# Altium PCB PCB4.PcbDoc (part 1 of 2) (continued)
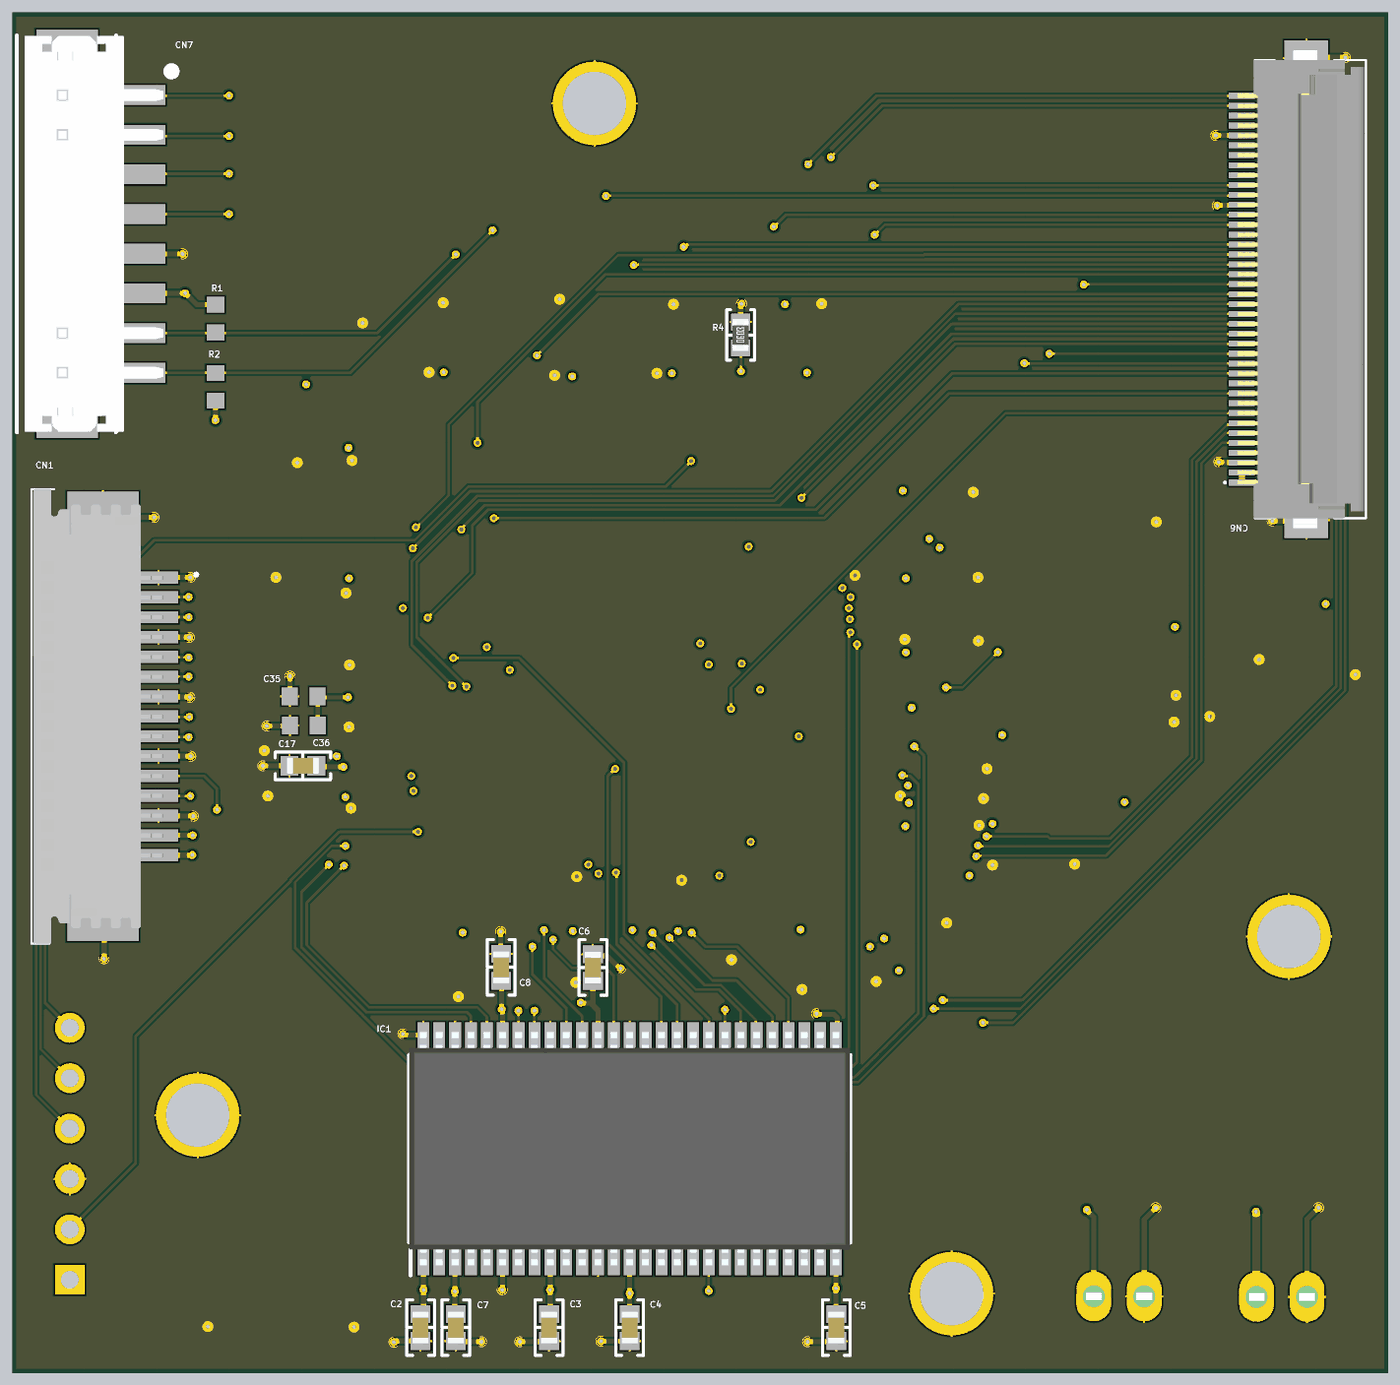
[diagram p6: 3D render of the assembled board from below, using the file's embedded part models]

## Layer stack, top to bottom
Top Solder: solder mask 0.5, Solder Resist, Dk 3.8
Top Layer: signal copper 1.378
Dielectric 1: prepreg 3.937, 2313, Dk 4.05
Mid Layer 1: signal copper 0.689
Core: core 49.8031, FR-4, Dk 4.5
Mid Layer 2: signal copper 0.689
Dielectric 2: prepreg 3.937, 2313, Dk 4.05
Bottom Layer: signal copper 1.378
Bottom Solder: solder mask 0.5, Solder Resist, Dk 3.8

## Board outline
0,0 0,2700 2730,2700 2730,0

## Design rules (kind name [scope] priority, off if disabled: settings)
BoardOutlineClearance [All] p1: gap=7.87 ignorepadtopadclearanceinfootprint=FALSE
Clearance [All] p1: gap=4 ignorepadtopadclearanceinfootprint=FALSE except(5: Arc-Via Track-Via SMDPad-Via THPad-Via Via-Via Via-Fill Via-Poly Via-Region Via-Text; 9.84: Arc-Hole Track-Hole SMDPad-Hole THPad-Hole Via-Hole Fill-Hole Poly-Hole Region-Hole Text-Hole)
ComponentClearance [All] p1: gap=4 collisioncheckmode=3 verticalgap=4 showdistances=TRUE
DiffPairsRouting [All] p1: maxlimit=4 minlimit=4 mostfreqgap=4 toplayer_minwidth=4 toplayer_maxwidth=71497.94 toplayer_prefwidth=4 midlayer1_minwidth=4 midlayer1_maxwidth=71497.94 midlayer1_prefwidth=4 midlayer2_minwidth=4 midlayer2_maxwidth=71497.94 midlayer2_prefwidth=4 bottomlayer_minwidth=4 bottomlayer_maxwidth=71497.94 bottomlayer_prefwidth=4 maxuncoupledlength=500
Height [All] p1: minheight=0 maxheight=71497.94 prefheight=500
HoleSize [All] p1: absolutevalues=TRUE maxlimit=248.03 minlimit=7.87 maxpercent=80.000 minpercent=20.000
HoleToHoleClearance [All] p1: gap=9.84 allowstackedmicrovias=FALSE
MatchedLengths MatchedLengths_5 [InNetClass('B')] p1: tolerance=1000 checknetsindiffpair=FALSE checkdiffpairvsdiffpair=TRUE checkxsignals=TRUE checkothers=TRUE
MatchedLengths MatchedLengths_4 [InNetClass('R')] p2: tolerance=1000 checknetsindiffpair=FALSE checkdiffpairvsdiffpair=TRUE checkxsignals=TRUE checkothers=TRUE
MatchedLengths MatchedLengths_3 [InNetClass('G')] p3: tolerance=1000 checknetsindiffpair=FALSE checkdiffpairvsdiffpair=TRUE checkxsignals=TRUE checkothers=TRUE
MatchedLengths MatchedLengths_2 [InNetClass('SIO')] p4: tolerance=1000 checknetsindiffpair=FALSE checkdiffpairvsdiffpair=TRUE checkxsignals=TRUE checkothers=TRUE
MatchedLengths MatchedLengths_1 [InNetClass('DQ')] p5: tolerance=1000 checknetsindiffpair=FALSE checkdiffpairvsdiffpair=TRUE checkxsignals=TRUE checkothers=TRUE
MatchedLengths [InNetClass('A')] p6: tolerance=1000 checknetsindiffpair=FALSE checkdiffpairvsdiffpair=TRUE checkxsignals=TRUE checkothers=TRUE
MaxMinImpedance [InNetClass('DQ')] p1: minimum=45.00 maximum=55.00
MinimumAnnularRing [All] p1: minimumring=3
MinimumSolderMaskSliver [All] p1: minsoldermaskwidth=0
NetsToIgnore NetsToIgnore_2 [InNet('GND')] p1:
NetsToIgnore NetsToIgnore_1 [InNet('5V')] p2:
NetsToIgnore [InNet('3V3')] p3:
PlaneClearance [All] p1: clearance=4
PlaneConnect PlaneConnectPowerPads [InPadClass('PowerPads')] p1: planeconnectstyle=Direct reliefexpansion=20 reliefentries=4 reliefconductorwidth=10 reliefairgap=10
PlaneConnect [All] p2: pad.planeconnectstyle=Relief pad.reliefexpansion=11.81 pad.reliefentries=4 pad.reliefconductorwidth=4 pad.reliefairgap=4 via.planeconnectstyle=Direct via.reliefexpansion=11.81 via.reliefentries=4 via.reliefconductorwidth=5 via.reliefairgap=5
PolygonConnect PolygonConnectPowerPads [All vs (InPadClass('PowerPads'))] p1: connectstyle=Direct reliefconductorwidth=10 reliefentries=4 polygonreliefangle="90 Angle" airgapwidth=10
PolygonConnect [All] p2: thpad.connectstyle=Relief thpad.reliefconductorwidth=4 thpad.reliefentries=4 thpad.polygonreliefangle="90 Angle" thpad.airgapwidth=4 smdpad.connectstyle=Relief smdpad.reliefconductorwidth=4 smdpad.reliefentries=4 smdpad.polygonreliefangle="90 Angle" smdpad.airgapwidth=4 via.connectstyle=Direct via.reliefconductorwidth=5 via.reliefentries=4 via.polygonreliefangle="90 Angle" via.airgapwidth=5
RoutingLayers RoutingLayers_2 [InNet('GND')] p1: top layer_v5=TRUE mid layer 1_v5=TRUE mid layer 2_v5=TRUE bottom layer_v5=TRUE
RoutingLayers RoutingLayers_1 [(InNet('3V3') OR InNet('5V'))] p2: top layer_v5=TRUE mid layer 1_v5=FALSE mid layer 2_v5=TRUE bottom layer_v5=TRUE
RoutingLayers [All] p3: top layer_v5=TRUE mid layer 1_v5=TRUE mid layer 2_v5=TRUE bottom layer_v5=TRUE
RoutingPriority RoutingPriority_1 [(InNetClass('DQ') OR InNetClass('A'))] p1: routingpriority=2
RoutingPriority RoutingPriority_2 [(InNetClass('SIO') OR InNetClass('B') OR InNetClass('G') OR InNetClass('R'))] p2: routingpriority=1
RoutingPriority [All] p3: routingpriority=0
RoutingVias [All] p1: holewidth=7.87 width=15.75 viastyle="Through Hole" minholewidth=7.87 minwidth=15.75 maxholewidth=7.87 maxwidth=15.75
SilkToSilkClearance [All] p1: silktosilkclearance=0
SilkToSolderMaskClearance [IsPad] p1: minsilkscreentomaskgap=4 clearancetoexposedcopper=TRUE
SolderMaskExpansion [All] p1: expansion=2.95 istentingtop=FALSE
Width [All] p1: maxlimit=71497.94 minlimit=4 preferedwidth=4
18 further rules are at their usual default settings.

## Classes and differential pairs
net class SIO: SIO0 SIO1 SIO2 SIO3
net class G: G0 G1 G2 G3 G4 G5 G6 G7
net class R: R0 R1 R2 R3 R4 R5 R6 R7
net class DQ: CLK DQ0 DQ1 DQ2 DQ3 DQ4 DQ5 DQ6 DQ7 DQ8 DQ9 DQ10 DQ11 DQ12 DQ13 DQ14 DQ15
net class B: B0 B1 B2 B3 B4 B5 B6 B7
net class A: A0 A1 A2 A3 A4 A5 A6 A7 A8 A9 A10 A11 A12

## Components (designator, comment, footprint, x,y, rotation, side; value= is the part's Value field where it differs from the comment)
C1 "0.1 µF" "CAP 0603_1608" 70,1459.45 r90 top
C2 "0.1 µF" "CAP 0603_1608" 1920,90 r90 bottom
C3 "0.1 µF" "CAP 0603_1608" 1665,90 r90 bottom
C4 "0.1 µF" "CAP 0603_1608" 1505,90 r90 bottom
C5 "0.1 µF" "CAP 0603_1608" 1095,90 r90 bottom
C6 "0.1 µF" "CAP 0603_1608" 1578,804.57 r270 bottom
C7 "0.1 µF" "CAP 0603_1608" 1850,90 r90 bottom
C8 "0.1 µF" "CAP 0603_1608" 1760,805 r270 bottom
C9 "100µF" "CAP ALSMD POLY 5.3MM H6.0MM" 206,481 r180 top
C10 "100µF" "CAP ALSMD POLY 5.3MM H6.0MM" 529,482 r180 top
C11 "2.2 µF" "CAP 0603_1608" 2138,1774 r180 top
C12 "2.2 µF" "CAP 0603_1608" 1780,805 r90 top
C13 "0.1 µF" "CAP 0603_1608" 893,1743 r0 top
C14 "0.1 µF" "CAP 0603_1608" 885,1580 r0 top
C15 "0.1 µF" "CAP 0603_1608" 1420,2065 r270 top
C16 "0.1 µF" "CAP 0603_1608" 1845,805 r90 top
C17 "0.1 µF" "CAP 0603_1608" 2153.43,1205 r180 bottom
C18 "0.1 µF" "CAP 0603_1608" 1358.58,821 r0 top
C19 "0.1 µF" "CAP 0603_1608" 1630,2056.57 r270 top
C20 "0.1 µF" "CAP 0603_1608" 2153.43,1140 r180 top
C21 "0.1 µF" "CAP 0603_1608" 887.43,1436 r0 top
C22 "0.1 µF" "CAP 0603_1608" 2140,1580 r180 top
C23 "0.1 µF" "CAP 0603_1608" 1611,803.43 r90 top
C24 "0.1 µF" "CAP 0603_1608" 1875,2065 r270 top
C25 "0.1 µF" "CAP 0603_1608" 1164,813.57 r90 top
C26 "0.1 µF" "CAP 0603_1608" 861,1200 r0 top
C27 "0.1 µF" "CAP 0603_1608" 2138,1839 r180 top
C28 "4.7 µF" "CAP 0603_1608" 2095,2015 r315 top
C29 "1µF" "CAP 0603_1608" 739,1052 r90 top
C30 "4.7 µF" "CAP 0603_1608" 925,845 r315 top
C31 "1µF" "CAP 0603_1608" 669,1052 r90 top
C32 "X5R" 1608[0603] 871,1142 r180 top value=100nF
C33 "X5R" 1608[0603] 871,1090 r180 top value=100nF
C34 "X5R" 1608[0603] 2152.56,1224 r0 top value=2u2
C35 "X5R" 1608[0603] 2152,1343 r0 bottom value=2u2
C36 "X5R" 1608[0603] 2151.56,1285 r0 bottom value=100nF
C37 "X5R" 1608[0603] 460,1742.56 r270 top value=4pF
C38 "X5R" 1608[0603] 460,1635 r90 top value=4pF
C39 "X5R" 1608[0603] 460,1372.44 r270 top value=6pF
C40 "X5R" 1608[0603] 460,1265 r90 top value=6pF
C41 "0.1 µF" "CAP 0603_1608" 1125,2065 r270 top
CN1 "1-84953-5" 1849535 2585.67,1303.11 r270 bottom
CN2 "Header 6" HDR1X6 2616,185 r90 top
CN3 "BM03B-SRSS-TBT_LF__SN_" BM03BSRSSTBTLFSN 2195,160 r0 top
CN4 "282834-2" "TE 282834-2" 211,151 r180 top
CN5 "282834-2" "TE 282834-2" 534,152 r180 top
CN6 "FH12-40S-0.5SH_55_" FH1240S05SH55 185,2151 r90 bottom
CN7 "B8B-PH-SM4-TB_LF__SN_" B8B-PH-SM4-TB 2535,2378.74 r90 bottom
IC1 "IS42S16160G-6TL" SOP80P1176X120-54N 1505,445 r90 bottom
IC2 "MX25L25645GZNI-08G" SON127P600X500X80-9N-D 255,1416.65 r90 top
IC3 "STM32F779IIT6" QFP50P2600X2600X160-176N 1510,1430 r0 top locked
L1 "FCM1608KF-601T03" "IND 0603_1608 RF WW" 556.55,1078 r180 top value=27nH
R1 "Res1" 1608[0603] 2327,2092.56 r90 bottom value=4k7
R2 "Res1" 1608[0603] 2327,1957 r270 bottom value=4k7
R3 "10k" "RES 0603_1608" 1076.41,780 r180 top
R4 "10k" "RES 0603_1608" 1285,2060 r90 bottom
R5 "10k" "RES 0603_1608" 1195,2060.59 r270 top
R6 "10k" "RES 0603_1608" 834.41,1265 r180 top
X1 "32.768kHz" "NDK NX5032GA" 605,1690 r270 top value="25 MHz"
X2 "25 MHz" "NDK NX5032GA" 605,1320 r270 top

## Footprints (in the part's own frame and the unit in brackets; to place one, negate y for a bottom-side part, rotate by r counter-clockwise, add the part's x,y. Pads: shape width x height; smd on the part's side, far side on the other; paste and mask are expansions set on the pad)
1608[0603] [mm] "Chip Capacitor, Body 1.6x0.8mm, IPC High Density"
  rect 0.8x0.9 smd: 1(-0.7,0) 2(0.7,0)
  body extent -0.87,-0.48 0.87,0.48, height 1.3
1849535 [mm]
  rect 0.61x2 smd: 1(-7,3.7) 2(-6,3.7) 3(-5,3.7) 4(-4,3.7) 5(-3,3.7) 6(-2,3.7) 7(-1,3.7) 8(0,3.7) 9(1,3.7) 10(2,3.7) 11(3,3.7) 12(4,3.7) 13(5,3.7) 14(6,3.7) 15(7,3.7)
  rect 2.68x3.6 smd: MP1(-9.99,0.9) MP2(9.99,0.9)
  silkscreen extent -11.46,-2.7 11.46,5.65, body extent -11.46,-2.61 11.46,3.94, height 2.66
B8B-PH-SM4-TB [mm]
  rect 1x5.5 smd: 1(4,0) 2(2,0) 3(0,0) 4(-2,0) 5(-4,0) 6(-6,0) 7(-8,0) 8(-10,0)
  rect 1.7x3.1 smd: 9(-12.45,2.2) 10(6.45,2.2)
  silkscreen extent -13,-3.27 7,4.73, body extent -12.97,-2.67 6.98,4.33, height 6.73
BM03BSRSSTBTLFSN [mm]
  rect 0.6x1.55 smd: 1(-1,0.775) 2(0,0.775) 3(1,0.775)
  rect 1.2x1.8 smd: MP1(-2.3,-1.75) MP2(2.3,-1.75)
  silkscreen extent -2.5,-2.5 2.5,0, body extent -2.78,-2.53 2.78,1.49, height 4.35
"CAP 0603_1608" [mm] "Chip Capacitor, 2-Leads, Body 1.60x0.80mm, IPC Medium Density"
  rect 0.9x1 smd: 1(-0.675,0) 2(0.675,0)
  silkscreen extent -1.4,-0.7 1.4,0.7, body extent -0.8,-0.41 0.8,0.41, height 0.82
"CAP ALSMD POLY 5.3MM H6.0MM" [mm] "Aluminum Polymer Capacitor, Body 5.30x5.30x6.0mm, IPC Medium Density"
  rect 2.8x1.6 smd: 1(-2.15,0) 2(2.15,0)
  silkscreen extent -2.6,-2.7 2.7,2.7, body extent -2.95,-2.7 2.95,2.7, height 6
FH1240S05SH55 [mm]
  rect 0.3x1.3 smd: 1(-9.75,2.675) 2(-9.25,2.675) 3(-8.75,2.675) 4(-8.25,2.675) 5(-7.75,2.675) 6(-7.25,2.675) 7(-6.75,2.675) 8(-6.25,2.675) 9(-5.75,2.675) 10(-5.25,2.675) 11(-4.75,2.675) 12(-4.25,2.675) 13(-3.75,2.675) 14(-3.25,2.675) 15(-2.75,2.675) 16(-2.25,2.675) 17(-1.75,2.675) 18(-1.25,2.675) 19(-0.75,2.675) 20(-0.25,2.675) 21(0.25,2.675) 22(0.75,2.675) 23(1.25,2.675) 24(1.75,2.675) 25(2.25,2.675) 26(2.75,2.675) 27(3.25,2.675) 28(3.75,2.675) 29(4.25,2.675) 30(4.75,2.675) 31(5.25,2.675) 32(5.75,2.675) 33(6.25,2.675) 34(6.75,2.675) 35(7.25,2.675) 36(7.75,2.675) 37(8.25,2.675) 38(8.75,2.675) 39(9.25,2.675) 40(9.75,2.675)
  rect 1.8x2.2 smd: 41(-11.65,-0.575) 42(11.65,-0.575)
  silkscreen extent -11.55,-3.58 11.55,3.57, body extent -12.05,-3.52 12.05,2.88, height 2
HDR1X6 [mm] "Connector; Header; 6 Position"
  rect 1.5x1.5 hole 0.9: 1(0,0)
  round 1.5 hole 0.9: 2(2.54,0) 3(5.08,0) 4(7.62,0) 5(10.16,0) 6(12.7,0)
  silkscreen extent -1.27,-1.27 13.97,1.27
"IND 0603_1608 RF WW" [mm] "Chip Inductor, 2-Leads, Body 1.65x0.99mm, IPC Medium Density"
  rect 0.76x1.13 smd: 1(-0.875,0) 2(0.875,0)
  silkscreen extent -1.5,-0.8 1.5,0.8, body extent -0.84,-0.58 0.83,0.58, height 1
"NDK NX5032GA" [mm] "Crystal, 2-Leads, Body 5.00x3.20mm, IPC Medium Density"
  rect 2.4x2 smd: 1(-2,0) 2(2,0)
  silkscreen extent -2.65,-1.7 2.65,1.7, body extent -2.5,-1.6 2.5,1.6, height 1.2
QFP50P2600X2600X160-176N [mm]
  rect 1.45x0.3 smd: 1(-12.725,10.75) 2(-12.725,10.25) 3(-12.725,9.75) 4(-12.725,9.25) 5(-12.725,8.75) 6(-12.725,8.25) 7(-12.725,7.75) 8(-12.725,7.25) 9(-12.725,6.75) 10(-12.725,6.25) 11(-12.725,5.75) 12(-12.725,5.25) 13(-12.725,4.75) 14(-12.725,4.25) 15(-12.725,3.75) 16(-12.725,3.25) 17(-12.725,2.75) 18(-12.725,2.25) 19(-12.725,1.75) 20(-12.725,1.25) 21(-12.725,0.75) 22(-12.725,0.25) 23(-12.725,-0.25) 24(-12.725,-0.75) 25(-12.725,-1.25) 26(-12.725,-1.75) 27(-12.725,-2.25) 28(-12.725,-2.75) 29(-12.725,-3.25) 30(-12.725,-3.75) 31(-12.725,-4.25) 32(-12.725,-4.75) 33(-12.725,-5.25) 34(-12.725,-5.75) 35(-12.725,-6.25) 36(-12.725,-6.75) 37(-12.725,-7.25) 38(-12.725,-7.75) 39(-12.725,-8.25) 40(-12.725,-8.75) 41(-12.725,-9.25) 42(-12.725,-9.75) 43(-12.725,-10.25) 44(-12.725,-10.75) 89(12.725,-10.75) 90(12.725,-10.25) 91(12.725,-9.75) 92(12.725,-9.25) 93(12.725,-8.75) 94(12.725,-8.25) 95(12.725,-7.75) 96(12.725,-7.25) 97(12.725,-6.75) 98(12.725,-6.25) 99(12.725,-5.75) 100(12.725,-5.25) 101(12.725,-4.75) 102(12.725,-4.25) 103(12.725,-3.75) 104(12.725,-3.25) 105(12.725,-2.75) 106(12.725,-2.25) 107(12.725,-1.75) 108(12.725,-1.25) 109(12.725,-0.75) 110(12.725,-0.25) 111(12.725,0.25) 112(12.725,0.75) 113(12.725,1.25) 114(12.725,1.75) 115(12.725,2.25) 116(12.725,2.75) 117(12.725,3.25) 118(12.725,3.75) 119(12.725,4.25) 120(12.725,4.75) 121(12.725,5.25) 122(12.725,5.75) 123(12.725,6.25) 124(12.725,6.75) 125(12.725,7.25) 126(12.725,7.75) 127(12.725,8.25) 128(12.725,8.75) 129(12.725,9.25) 130(12.725,9.75) 131(12.725,10.25) 132(12.725,10.75)
  rect 0.3x1.45 smd: 45(-10.75,-12.725) 46(-10.25,-12.725) 47(-9.75,-12.725) 48(-9.25,-12.725) 49(-8.75,-12.725) 50(-8.25,-12.725) 51(-7.75,-12.725) 52(-7.25,-12.725) 53(-6.75,-12.725) 54(-6.25,-12.725) 55(-5.75,-12.725) 56(-5.25,-12.725) 57(-4.75,-12.725) 58(-4.25,-12.725) 59(-3.75,-12.725) 60(-3.25,-12.725) 61(-2.75,-12.725) 62(-2.25,-12.725) 63(-1.75,-12.725) 64(-1.25,-12.725) 65(-0.75,-12.725) 66(-0.25,-12.725) 67(0.25,-12.725) 68(0.75,-12.725) 69(1.25,-12.725) 70(1.75,-12.725) 71(2.25,-12.725) 72(2.75,-12.725) 73(3.25,-12.725) 74(3.75,-12.725) 75(4.25,-12.725) 76(4.75,-12.725) 77(5.25,-12.725) 78(5.75,-12.725) 79(6.25,-12.725) 80(6.75,-12.725) 81(7.25,-12.725) 82(7.75,-12.725) 83(8.25,-12.725) 84(8.75,-12.725) 85(9.25,-12.725) 86(9.75,-12.725) 87(10.25,-12.725) 88(10.75,-12.725) 133(10.75,12.725) 134(10.25,12.725) 135(9.75,12.725) 136(9.25,12.725) 137(8.75,12.725) 138(8.25,12.725) 139(7.75,12.725) 140(7.25,12.725) 141(6.75,12.725) 142(6.25,12.725) 143(5.75,12.725) 144(5.25,12.725) 145(4.75,12.725) 146(4.25,12.725) 147(3.75,12.725) 148(3.25,12.725) 149(2.75,12.725) 150(2.25,12.725) 151(1.75,12.725) 152(1.25,12.725) 153(0.75,12.725) 154(0.25,12.725) 155(-0.25,12.725) 156(-0.75,12.725) 157(-1.25,12.725) 158(-1.75,12.725) 159(-2.25,12.725) 160(-2.75,12.725) 161(-3.25,12.725) 162(-3.75,12.725) 163(-4.25,12.725) 164(-4.75,12.725) 165(-5.25,12.725) 166(-5.75,12.725) 167(-6.25,12.725) 168(-6.75,12.725) 169(-7.25,12.725) 170(-7.75,12.725) 171(-8.25,12.725) 172(-8.75,12.725) 173(-9.25,12.725) 174(-9.75,12.725) 175(-10.25,12.725) 176(-10.75,12.725)
  silkscreen extent -13.32,-11.65 11.65,11.65, body extent -13,-13 13,13, height 1.6
"RES 0603_1608" [mm] "Chip Resistor, 2-Leads, Body 1.60x0.80mm, IPC Medium Density"
  rect 0.85x0.95 smd: 1(-0.65,0) 2(0.65,0)
  silkscreen extent -1.27,-0.7 1.27,0.7, body extent -0.8,-0.4 0.8,0.4, height 0.45
SON127P600X500X80-9N-D [mm]
  rect 1.05x0.45 smd: 1(-2.85,1.905) 2(-2.85,0.635) 3(-2.85,-0.635) 4(-2.85,-1.905) 5(2.85,-1.905) 6(2.85,-0.635) 7(2.85,0.635) 8(2.85,1.905)
  rect 3.45x4.05 smd: 9(0,0)
  silkscreen extent -3.5,2.5 -3.25,2.75, body extent -3.05,-2.5 3.05,2.5, height 0.8
SOP80P1176X120-54N [mm]
  rect 1.295x0.6 smd: 1(-5.728,10.4) 2(-5.728,9.6) 3(-5.728,8.8) 4(-5.728,8) 5(-5.728,7.2) 6(-5.728,6.4) 7(-5.728,5.6) 8(-5.728,4.8) 9(-5.728,4) 10(-5.728,3.2) 11(-5.728,2.4) 12(-5.728,1.6) 13(-5.728,0.8) 14(-5.728,0) 15(-5.728,-0.8) 16(-5.728,-1.6) 17(-5.728,-2.4) 18(-5.728,-3.2) 19(-5.728,-4) 20(-5.728,-4.8) 21(-5.728,-5.6) 22(-5.728,-6.4) 23(-5.728,-7.2) 24(-5.728,-8) 25(-5.728,-8.8) 26(-5.728,-9.6) 27(-5.728,-10.4) 28(5.728,-10.4) 29(5.728,-9.6) 30(5.728,-8.8) 31(5.728,-8) 32(5.728,-7.2) 33(5.728,-6.4) 34(5.728,-5.6) 35(5.728,-4.8) 36(5.728,-4) 37(5.728,-3.2) 38(5.728,-2.4) 39(5.728,-1.6) 40(5.728,-0.8) 41(5.728,0) 42(5.728,0.8) 43(5.728,1.6) 44(5.728,2.4) 45(5.728,3.2) 46(5.728,4) 47(5.728,4.8) 48(5.728,5.6) 49(5.728,6.4) 50(5.728,7.2) 51(5.728,8) 52(5.728,8.8) 53(5.728,9.6) 54(5.728,10.4)
  silkscreen extent -6.37,-11.11 4.73,11.11, body extent -5.88,-11.11 5.88,11.11, height 1.2
"TE 282834-2" [mm]
  oval 1.75x2.5 hole 1.1: 1(-1.27,0) 2(1.27,0)
  silkscreen extent -2.7,-3.2 2.7,3.2, body extent -2.77,-3.25 2.77,3.25, height 10

## Part data
C1 C2 C3 C4 C5 C6 C7 C8 C13 C14 C15 C16 C17 C18 C19 C20 C21 C22 C23 C24 C25 C26 C27 C41: library part 0603B104K101CT, "CAP CER 0.1UF 100V X7R 0603", Device Package="0603 (1608 Metric)", manufacturer="Walsin Technology Corporation", Operating Temperature="-55°C ~ 125°C", Supplier Part Number 1=1292-1392-1-ND, Temperature Coefficient=X7R, Tolerance=±10%, Voltage - Rated=100V, Applications="General Purpose", Capacitance="0.1 µF", componentlink1description=Datasheet, componentlink1url=http://www.passivecomponent.com/wp-content/uploads/2018/10/MLCC.pdf, componentlink2description="DigiKey Link", componentlink2url=https://www.digikey.com/en/products/detail/walsin-technology-corporation/0603B104K101CT/9354889, lastupdated="4/8/2023 7:09:18 PM", Lifecycle Status=Active, Minimum Order=1, Mounting Type="Surface Mount, MLCC", Package / Case="0603 (1608 Metric)", packaging=TapeAndReel, Part Number=0603B104K101CT, Part Status=Active, partid=4273, price=0.01, series=-, Size / Dimension="0.063\" L x 0.031\" W (1.60mm x 0.80mm)", Supplier 1=DigiKey, Thickness (Max)="0.037\" (0.95mm)"
C9 C10: library part 6SVPC100M, "CAP ALUM POLY 100UF 20% 6.3V SMD", Device Package="Radial, Can - SMD", ESR (Equivalent Series Resistance)=30mOhm, Lifetime @ Temp.="2000 Hrs @ 105°C", manufacturer="Panasonic Electronic Components", Operating Temperature="-55°C ~ 105°C", Ripple Current @ High Frequency="2.15A @ 100kHz", Ripple Current @ Low Frequency="107.5mA @ 120Hz", Supplier Part Number 1=P16606CT-ND, Tolerance=±20%, Voltage - Rated=6.3V, Applications="General Purpose", Capacitance=100µF, componentlink1description=Datasheet, componentlink1url=https://industrial.panasonic.com/cdbs/www-data/pdf/AAB8000/AAB8000C256.pdf, componentlink2description="DigiKey Link", componentlink2url=http://digikey.com/product-detail/en/panasonic-electronic-components/6SVPC100M/P16606CT-ND/4204442, Height - Seated (Max)="0.236\" (6.00mm)", lastupdated="9/2/2020 1:22:07 AM", Lifecycle Status=Active, Minimum Order=1, Mounting Type="Surface Mount", Package / Case="Radial, Can - SMD", packaging=TapeAndReel, Part Number=6SVPC100M, Part Status=Active, partid=1943, price=0.51, series="OS-CON™, SVPC", Size / Dimension="0.197\" Dia (5.00mm)", Supplier 1=DigiKey, Surface Mount Land Size="0.209\" L x 0.209\" W (5.30mm x 5.30mm)", Type=Polymer
C11 C12: library part CGA3E1X7R0J225M080AC, "CAP CER 2.2UF 6.3V X7R 0603", Device Package="0603 (1608 Metric)", manufacturer="TDK Corporation", Operating Temperature="-55°C ~ 125°C", Ratings=AEC-Q200, Supplier Part Number 1=445-12572-1-ND, Temperature Coefficient=X7R, Tolerance=±20%, Voltage - Rated=6.3V, Applications=Automotive, Capacitance="2.2 µF", componentlink1description=Datasheet, componentlink1url=https://product.tdk.com/info/en/catalog/datasheets/mlcc_automotive_general_en.pdf?ref_disty=digikey, componentlink2description="DigiKey Link", componentlink2url=https://www.digikey.com/en/products/detail/tdk-corporation/CGA3E1X7R0J225M080AC/3949808, lastupdated="4/18/2023 7:09:18 PM", Lifecycle Status=Active, Minimum Order=1, Mounting Type="Surface Mount, MLCC", Package / Case="0603 (1608 Metric)", packaging=TapeAndReel, Part Number=CGA3E1X7R0J225M080AC, Part Status=Active, partid=13580, price=0.03, series=CGA, Size / Dimension="0.063\" L x 0.031\" W (1.60mm x 0.80mm)", Supplier 1=DigiKey, Thickness (Max)="0.035\" (0.90mm)"
C28 C30: library part GRM185R61C475KE11D, "CAP CER 4.7UF 16V X5R 0603", Device Package="0603 (1608 Metric)", manufacturer="Murata Electronics", Operating Temperature="-55°C ~ 85°C", Supplier Part Number 1=490-14459-1-ND, Temperature Coefficient=X5R, Tolerance=±10%, Voltage - Rated=16V, Applications="General Purpose", Capacitance="4.7 µF", componentlink1description=Datasheet, componentlink1url=https://search.murata.co.jp/Ceramy/image/img/A01X/G101/ENG/GRM185R61C475KE11-01.pdf, componentlink2description="DigiKey Link", componentlink2url=https://www.digikey.com/en/products/detail/murata-electronics/GRM185R61C475KE11D/6606088, lastupdated="3/28/2023 7:09:04 PM", Lifecycle Status=Active, Minimum Order=1, Mounting Type="Surface Mount, MLCC", Package / Case="0603 (1608 Metric)", packaging=TapeAndReel, Part Number=GRM185R61C475KE11D, Part Status=Active, partid=2451, price=0.05, series=GRM, Size / Dimension="0.063\" L x 0.031\" W (1.60mm x 0.80mm)", Supplier 1=DigiKey, Thickness (Max)="0.022\" (0.55mm)"
C29 C31: library part 0603YD105KAT4A, "CAP CER 1UF 16V X5R 0603", Device Package="0603 (1608 Metric)", manufacturer="AVX Corporation", Operating Temperature="-55°C ~ 85°C", Supplier Part Number 1=478-10365-1-ND, Temperature Coefficient=X5R, Tolerance=±10%, Voltage - Rated=16V, Applications="General Purpose", Capacitance=1µF, componentlink1description=Datasheet, componentlink1url=http://datasheets.avx.com/cx5r.pdf, componentlink2description="DigiKey Link", componentlink2url=http://digikey.com/product-detail/en/avx-corporation/0603YD105KAT4A/478-10365-1-ND/6797443, lastupdated="9/2/2020 1:03:10 AM", Lifecycle Status=Active, Minimum Order=1, Mounting Type="Surface Mount, MLCC", Package / Case="0603 (1608 Metric)", packaging=TapeAndReel, Part Number=0603YD105KAT4A, Part Status=Active, partid=15257, price=0.03, series=-, Size / Dimension="0.063\" L x 0.032\" W (1.60mm x 0.81mm)", Supplier 1=DigiKey, Thickness (Max)="0.035\" (0.90mm)"
C32 C33 C34 C35 C36 C37 C38 C39 C40: library part Cap, "Capacitor", LatestRevisionDate=17-Jul-2002, LatestRevisionNote="Re-released for DXP Platform.", PackageDescription="Radial Cap, Thru-Hole; 2 Leads; 0.3 in Pin Spacing", PackageReference=RAD-0.3, Published=8-Jun-2000, Publisher="Altium Limited"
CN1: "Connector", Manufacturer_Name="TE Connectivity", Mouser Part Number=571-1-84953-5, Arrow Part Number=1-84953-5, Arrow Price/Stock=https://www.arrow.com/en/products/1-84953-5/te-connectivity?region=nac, Datasheet Link=https://www.te.com/commerce/DocumentDelivery/DDEController?Action=showdoc&DocId=Customer+Drawing%7F84953%7FA3%7Fpdf%7FEnglish%7FENG_CD_84953_A3.pdf%7F1-84953-5, Height=2.74mm, Manufacturer_Part_Number=1-84953-5, Mouser Price/Stock=https://www.mouser.co.uk/ProductDetail/TE-Connectivity/1-84953-5?qs=uUkeXfjQ8uS9OOvsO8VIHg%3D%3D
CN2: "Header, 6-Pin", LatestRevisionDate=17-Jul-2002, LatestRevisionNote="Re-released for DXP Platform.", Publisher="Altium Limited"
CN3: "Connector", Arrow Part Number=BM03B-SRSS-TBT(LF)(SN), Manufacturer_Name="JST (JAPAN SOLDERLESS TERMINALS)", Arrow Price/Stock=https://www.arrow.com/en/products/bm03b-srss-tbt-lf-sn/jst-manufacturing, Datasheet Link=http://www.jst-mfg.com/product/pdf/eng/eSR.pdf, Height=4.25mm, Manufacturer_Part_Number=BM03B-SRSS-TBT(LF)(SN)
CN4 CN5: "TERM BLK 2P SIDE ENT 2.54MM PCB", Color=Green, Current=10A, manufacturer="TE Connectivity AMP Connectors", Supplier Part Number 1=A98333-ND, Voltage=150V, componentlink1description=Datasheet, componentlink1url=https://www.te.com/commerce/DocumentDelivery/DDEController?Action=srchrtrv&DocNm=282834&DocType=Customer+Drawing&DocLang=English, componentlink2description="DigiKey Link", componentlink2url=http://digikey.com/product-detail/en/te-connectivity-amp-connectors/282834-2/A98333-ND/1150135, lastupdated="1/15/2020 4:15:38 AM", Lifecycle Status=Active, Mating Orientation="Horizontal with Board", Minimum Order=1, Mounting Type="Through Hole", Number of Levels=1, packaging=Bulk, Part Number=282834-2, Part Status=Active, Pitch="0.100\" (2.54mm)", Positions Per Level=2, price=0.88, series=Buchanan, Supplier 1=DigiKey, Wire Gauge="16-30 AWG", Wire Termination="Screw - Rising Cage Clamp"
CN6: "Connector", Arrow Part Number=FH12-40S-0.5SH(55), Manufacturer_Name=Hirose, Mouser Part Number=798-FH12-40S-0.5SH55, Arrow Price/Stock=https://www.arrow.com/en/products/fh12-40s-0.5sh-55/hirose-electric, Datasheet Link=https://datasheet.datasheetarchive.com/originals/distributors/SFDatasheet-1/sf-00023459.pdf, Height=2mm, Manufacturer_Part_Number=FH12-40S-0.5SH(55), Mouser Price/Stock=https://www.mouser.co.uk/ProductDetail/Hirose-Connector/FH12-40S-0.5SH55?qs=Ux3WWAnHpjCB5TtHwQqTgA%3D%3D
CN7: "Connector", Arrow Part Number=B8B-PH-SM4-TB(LF)(SN), Manufacturer_Name="JST (JAPAN SOLDERLESS TERMINALS)", Arrow Price/Stock=https://www.arrow.com/en/products/b8b-ph-sm4-tb-lf-sn/jst-manufacturing?region=europe, Datasheet Link=http://uk.rs-online.com/web/p/products/6881347, Manufacturer_Part_Number=B8B-PH-SM4-TB(LF)(SN)
IC1: "Integrated Circuit", Manufacturer_Name="Integrated Silicon Solution Inc.", Mouser Part Number=870-IS42S16160G-6TL, Arrow Part Number=IS42S16160G-6TL, Arrow Price/Stock=https://www.arrow.com/en/products/is42s16160g-6tl/integrated-silicon-solution-inc, Datasheet Link=http://www.issi.com/WW/pdf/42-45S83200G-16160G.pdf, Height=1.2mm, Manufacturer_Part_Number=IS42S16160G-6TL, Mouser Price/Stock=https://www.mouser.co.uk/ProductDetail/ISSI/IS42S16160G-6TL?qs=9hm%252BDT1Jr7z36E7PiUiieg%3D%3D
IC2: "Integrated Circuit", Manufacturer_Name=Macronix, Arrow Part Number=MX25L25645GZNI-08G, Arrow Price/Stock=https://www.arrow.com/en/products/mx25l25645gzni-08g/macronix-international?region=nac, Datasheet Link=https://www.macronix.com/Lists/Datasheet/Attachments/7858/MX25L25645G,%203V,%20256Mb,%20v1.9.pdf, Height=0.8mm, Manufacturer_Part_Number=MX25L25645GZNI-08G
IC3: "Integrated Circuit", Manufacturer_Name=STMicroelectronics, Mouser Part Number=511-STM32F779IIT6, Arrow Part Number=STM32F779IIT6, Arrow Price/Stock=https://www.arrow.com/en/products/stm32f779iit6/stmicroelectronics?region=nac, Datasheet Link=https://www.arrow.com/en/products/stm32f779iit6/stmicroelectronics, Height=1.6mm, Manufacturer_Part_Number=STM32F779IIT6, Mouser Price/Stock=https://www.mouser.co.uk/ProductDetail/STMicroelectronics/STM32F779IIT6?qs=qzCNEk%252BRr%252BabClKc4EG9PA%3D%3D
L1: library part 744917127, "FIXED IND 27NH 780MA 200 MOHM", Current Rating (Amps)=780mA, DC Resistance (DCR)="200mOhm Max", Device Package="0603 (1608 Metric)", Frequency - Self Resonant=2.8GHz, Inductance=27nH, Inductance Frequency - Test=250MHz, manufacturer="Würth Elektronik", Operating Temperature="-40°C ~ 125°C", Q @ Freq="35 @ 250MHz", Supplier Part Number 1=732-11279-1-ND, Tolerance=±2%, componentlink1description=Datasheet, componentlink1url=https://katalog.we-online.de/pbs/datasheet/744917127.pdf, componentlink2description="DigiKey Link", componentlink2url=http://digikey.com/product-detail/en/w-rth-elektronik/744917127/732-11279-1-ND/6833738, Height - Seated (Max)="0.043\" (1.10mm)", lastupdated="9/6/2020 11:05:16 AM", Lifecycle Status=Active, Material - Core=Ceramic, Minimum Order=0, Mounting Type="Surface Mount", Package / Case="0603 (1608 Metric)", packaging=TapeAndReel, Part Number=744917127, Part Status=Active, partid=832, price=0.46, series="WE-KI HC", Shielding=Unshielded, Size / Dimension="0.067\" L x 0.043\" W (1.70mm x 1.10mm)", Supplier 1=DigiKey, Supplier Device Package="0603 (1608 Metric)", Type=Wirewound
R1 R2: "Resistor", LatestRevisionDate=17-Jul-2002, LatestRevisionNote="Re-released for DXP Platform.", PackageDescription="Axial Device, Thru-Hole; 2 Leads; 0.3 in Pin Spacing", PackageReference=AXIAL-0.3, Published=8-Jun-2000, Publisher="Altium Limited"
R3 R4 R5 R6: library part RC0603FR-7W10KL, "RES 10K OHM 1% 1/5W 0603", Device Package="0603 (1608 Metric)", manufacturer=Yageo, Operating Temperature="-55°C ~ 155°C", Power (Watts)="0.2W, 1/5W", Resistance="10 kOhms", Supplier Device Package=0603, Supplier Part Number 1=13-RC0603FR-7W10KLCT-ND, Temperature Coefficient=±200ppm/°C, Tolerance=±1%, componentlink1description=Datasheet, componentlink1url=https://www.yageo.com/upload/media/product/productsearch/datasheet/rchip/PYu-RC_Group_51_RoHS_L_11.pdf, componentlink2description="DigiKey Link", componentlink2url=https://www.digikey.com/en/products/detail/yageo/RC0603FR-7W10KL/12698809, Composition="Thick Film", Features="Moisture Resistant", Height - Seated (Max)="0.022\" (0.55mm)", lastupdated="4/8/2023 7:28:57 PM", Lifecycle Status=Active, Minimum Order=1, Number of Terminations=2, Package / Case="0603 (1608 Metric)", packaging=CutTape, Part Number=RC0603FR-7W10KL, Part Status=Active, partid=67088, price=0.01, series=RC_L, Size / Dimension="0.063\" L x 0.031\" W (1.60mm x 0.80mm)", Supplier 1=DigiKey
X1: library part NX5032GA-25.000000MHZ-LN-CD-1, "CRYSTAL 25.0000MHZ 8PF SMD", ESR (Equivalent Series Resistance)="70 Ohms", Frequency="25 MHz", Frequency Stability=±50ppm, Load Capacitance=8pF, manufacturer="NDK America, Inc.", Operating Mode=Fundamental, Operating Temperature="-10°C ~ 70°C", Package / Case="2-SMD, No Lead", Supplier Part Number 1=644-1041-1-ND, componentlink1description=Datasheet, componentlink1url=//media.digikey.com/pdf/Data%20Sheets/NDK%20PDFs/NX5032GA.pdf, componentlink2description="DigiKey Link", componentlink2url=https://www.digikey.com/en/products/detail/ndk-america-inc/NX5032GA-25-000000MHZ-LN-CD-1/1128823, Frequency Tolerance=±50ppm, Height - Seated (Max)="0.059\" (1.50mm)", lastupdated="3/28/2023 8:00:45 PM", Lifecycle Status=Active, Minimum Order=1, Mounting Type="Surface Mount", packaging=TapeAndReel, Part Number=NX5032GA-25.000000MHZ-LN-CD-1, Part Status=Active, partid=621, price=0.28, series=NX5032GA, Size / Dimension="0.197\" L x 0.126\" W (5.00mm x 3.20mm)", Supplier 1=DigiKey, Type="MHz Crystal"
X2: library part NX5032GA-25.000000MHZ-LN-CD-1, "CRYSTAL 25.0000MHZ 8PF SMD", ESR (Equivalent Series Resistance)="70 Ohms", Frequency Stability=±50ppm, Load Capacitance=8pF, manufacturer="NDK America, Inc.", Operating Mode=Fundamental, Operating Temperature="-10°C ~ 70°C", Package / Case="2-SMD, No Lead", Supplier Part Number 1=644-1041-1-ND, componentlink1description=Datasheet, componentlink1url=//media.digikey.com/pdf/Data%20Sheets/NDK%20PDFs/NX5032GA.pdf, componentlink2description="DigiKey Link", componentlink2url=https://www.digikey.com/en/products/detail/ndk-america-inc/NX5032GA-25-000000MHZ-LN-CD-1/1128823, Frequency="25 MHz", Frequency Tolerance=±50ppm, Height - Seated (Max)="0.059\" (1.50mm)", lastupdated="3/28/2023 8:00:45 PM", Lifecycle Status=Active, Minimum Order=1, Mounting Type="Surface Mount", packaging=TapeAndReel, Part Number=NX5032GA-25.000000MHZ-LN-CD-1, Part Status=Active, partid=621, price=0.28, series=NX5032GA, Size / Dimension="0.197\" L x 0.126\" W (5.00mm x 3.20mm)", Supplier 1=DigiKey, Type="MHz Crystal"

## Free pads (board coordinates)
  round 165.35 hole 125.98: 2(196.85,866.14) 2(866.14,157.48) 2(1574.8,2519.68) 2(2362.2,511.81)

## Via types
v1: diameter 15.75, hole 7.87, Top Layer to Bottom Layer, 240 vias

## Nets (pads, with @x,y where several pads share a name; then routed paths per layer and width w, separated by ;. In a path a pad name is that pad's centre, name@x,y a point inside that pad or via, vN(x,y) a via of type N, cw(c..) or ccw(c..) an arc to the next point about the centre after c; other vN are vias at no path point)
3V3: C1.2 C2.2 C3.2 C4.2 C5.2 C6.2 C7.2 C8.2 C10.1 C13.2 C14.2 C15.2 C16.2 C17.2 C18.2 C19.2 C20.2 C21.2 C22.2 C23.2 C24.2 C25.2 C26.2 C27.2 C28.2 C30.2 C41.2 CN1.14 CN1.15 CN2.1 CN5.1 CN6.4 CN7.6 IC1.1 IC1.3 IC1.9 IC1.14 IC1.27 IC1.43 IC1.49 IC2.8 IC3.6 IC3.15 IC3.23 IC3.36 IC3.49 IC3.62 IC3.72 IC3.82 IC3.96 IC3.99 IC3.118 IC3.131 IC3.136 IC3.149 IC3.159 IC3.172 L1.2 R1.2 R2.2 R5.1 R6.2 | length 3641.3
  Top Layer w10: C1.2@70,1486.02 71.97,1486.02 110.84,1524.9 122.9,1524.9 v1(124,1526) 177.14,1526 IC2.8@180,1528.86 ; L1.2@522.1,1078 522.55,1078.45 522.55,1132.55 v1(523,1133) ; v1(598,324) 598,325.06 613.65,340.7 C10.1@613.65,482 ; v1(766,1266) 807.82,1266 R6.2@808.82,1265 ; C26.2@887.57,1200 920,1200 953,1167 v1(953,1166) 953.87,1165.13 1008.14,1165.13 IC3.36@1009.02,1164.25 ; C14.2@911.57,1580 914.57,1577 v1(957,1577) 957.32,1577.32 1008.7,1577.32 IC3.15@1009.02,1577.64 ; C21.2@914,1436 949.44,1436 955.44,1430 v1(957,1430) 966.84,1420.16 IC3.23@1009.02,1420.16 ; C13.2@919.57,1743 953.44,1743 961.44,1751 v1(963,1751) 964.56,1751 968.36,1754.8 IC3.6@1009.02,1754.8 ; C30.2@943.79,826.21 v1(971,799) ; C41.2@1125,2038.43 1131,2032.43 1131,2006 1152,1985 v1(1153,1985) 1165.51,1972.49 IC3.172@1165.51,1930.98 ; C25.2@1164,840.15 1166,842.15 v1(1166,880) 1165.76,880.24 1165.76,928.77 IC3.49@1165.51,929.02 ; R5.1@1195,2086.18 1197,2088.18 v1(1197,2121) ; C18.2@1385.15,821 1385.15,850.59 1407.9,873.34 1407.9,875.9 v1(1409,877) 1421.42,889.42 IC3.62@1421.42,929.02 ; C15.2@1420,2038.43 1421.42,2037.01 v1(1421.42,1984) IC3.159@1421.42,1930.98 ; C23.2@1611,830 1618,837 v1(1618,877) 1618.13,877.13 1618.13,928.88 IC3.72@1618.27,929.02 ; IC3.149@1618.27,1930.98 1618.63,1931.35 1618.63,1977.63 v1(1619,1978) 1619,1979.56 1630,1990.56 C19.2@1630,2030 ; IC3.82@1815.12,929.02 1816.02,928.11 1816.02,894.26 v1(1836.28,874) 1836.28,873.01 1845,864.29 C16.2@1845,831.57 ; IC3.136@1874.17,1930.98 1874.09,1931.07 1874.09,1985.91 v1(1874,1986) 1874,2037.43 C24.2@1875,2038.43 ; IC3.96@2010.98,1144.57 2011.77,1143.78 2068.22,1143.78 v1(2069,1143) 2123.85,1143 C20.2@2126.85,1140 ; IC3.99@2010.98,1203.62 2011.3,1203.31 2072.69,1203.31 v1(2073,1203) ; IC3.118@2010.98,1577.64 2011.3,1577.32 2061.68,1577.32 v1(2062,1577) 2110.43,1577 C22.2@2113.43,1580 ; IC3.131@2010.98,1833.54 2058.99,1833.54 2061.44,1836 v1(2063,1836) 2064.56,1836 2067.56,1839 C27.2@2111.43,1839 ; C28.2@2113.79,1996.21 2113.79,1995.21 v1(2147,1962)
  Bottom Layer w10: v1(242,1827) 242.4,1826.6 289.91,1826.6 CN6.4@290.32,1826.2 ; CN5.1@584,152 584,308.44 598,322.44 v1(598,324) ; C5.2@1095,116.57 1095.63,117.21 v1(1095.63,168.39) ; v1(1095.63,168.39) IC1.27@1095.55,219.49 ; C4.2@1505,116.57 v1(1505,158) IC1.14@1505,219.49 ; IC1.43@1567.99,670.51 1567.99,719.73 1578,729.74 ; C6.2@1578,778 1578,729.74 ; v1(1602.28,735) 1601.18,733.9 1582.16,733.9 1578,729.74 ; IC1.9@1662.48,219.49 1661,218 1662.74,216.26 1662.74,165.26 v1(1663,165) 1663,118.57 C3.2@1665,116.57 ; IC1.49@1756.97,670.51 1756.97,718.41 1759,720.44 v1(1759,722) 1759,777.43 C8.2@1760,778.43 ; C7.2@1850,116.57 1852,118.57 v1(1852,162) 1851.73,162.27 1851.73,219.22 IC1.3@1851.46,219.49 ; IC1.1@1914.45,219.49 1914.22,219.26 1914.22,165.22 v1(1914,165) 1914,122.57 C2.2@1920,116.57 ; v1(2073,1203) 2124.85,1203 C17.2@2126.85,1205 ; v1(2327,1891) R2.2@2327,1929.44 ; R1.2@2327,2120.12 2364.12,2120.12 v1(2387,2143) 2534.52,2143 CN7.6@2535,2142.52 ; v1(2372,1067) 2372.06,1066.95 2439.94,1066.95 CN1.14@2440,1066.89 ; v1(2373,1028) 2373.24,1027.76 2439.76,1027.76 CN1.15@2440,1027.52
5V: C9.1 CN4.1 CN6.1 CN6.2 | length 2004.8
  Top Layer w15: v1(246,1767) 59,1767 26,1734 26,1225 291.03,959.97 291.03,705.26 290.65,704.88 C9.1@290.65,481 290.65,348.6 v1(262.24,320.19)
  Mid Layer 2 w5: CN4.1@261,151 CN4.1@261,153
  Bottom Layer w10: CN4.1@261,151 CN4.1@261.62,151.62 ; v1@261.62,319.57 v1(262.24,320.19)
  Bottom Layer w12: v1@246.07,1767.07 CN6.1@290.24,1767.07 ; CN6.1@290.32,1767.14 CN6.2@290.32,1786.83
  Bottom Layer w15: v1(246,1767) v1@246.07,1767.07 ; CN4.1@261.62,151.62 v1@261.62,319.57
\C\A\S\: IC1.17 IC3.160 | length 1811.4
  Top Layer w5: v1(1348,1406) 1349,1406 1401.73,1458.73 IC3.160@1401.73,1930.98
  Mid Layer 2 w5: v1(1318.88,377.89) 1286.17,410.6 1286.17,1344.17 v1(1348,1406)
  Bottom Layer w5: v1(1318.88,377.89) 1410.51,286.26 IC1.17@1410.51,219.49
\D\_\\C\S\: IC1.19 IC3.44 | length 1472.4
  Top Layer w5: IC3.44@1009.02,1006.77 880.77,1006.77 787.72,913.72 787.72,453.28 1096,145 1330,145 v1(1348,163)
  Bottom Layer w5: IC1.19@1347.52,219.49 1348,219.01 v1(1348,163)
\R\A\S\: IC1.18 IC3.59 | length 812.8
  Top Layer w5: v1(1293,370) 1268,395 1268,830 1302,864 1333,864 1362.36,893.36 IC3.59@1362.36,929.02
  Bottom Layer w5: v1(1293,370) 1379.02,283.98 IC1.18@1379.02,219.49
\W\E\: IC1.16 IC3.32 | length 1373.4
  Top Layer w5: v1(940.5,1243.5) 1008.51,1243.5 IC3.32@1009.02,1242.99
  Bottom Layer w5: v1(940.5,1243.5) 939.5,1243.5 921,1225 921,708 1052,577 1148,577 1442.01,282.99 IC1.16@1442.01,219.49
A0: IC1.23 IC3.16 | length 1469.9
  Top Layer w5: IC3.16@1009.02,1557.95 v1(1083,1558)
  Mid Layer 2 w5: v1(1083,1558) 1116,1525 1116,386 v1(1221,281)
  Bottom Layer w5: v1(1221,281) 1221.54,280.46 IC1.23@1221.54,219.49
A1: IC1.24 IC3.17 | length 1437.9
  Top Layer w5: IC3.17@1009.02,1538.27 1010.38,1539.63 v1(1066.63,1539.63)
  Mid Layer 2 w5: v1(1066.63,1539.63) 1079.65,1539.63 1107,1512.28 1107,364 v1(1191,280)
  Bottom Layer w5: IC1.24@1190.04,219.49 1190.04,279.04 v1(1191,280)
A2: IC1.25 IC3.18 | length 1396.8
  Top Layer w5: IC3.18@1009.02,1518.58 1009.31,1518.29 1069.71,1518.29 v1(1070,1518)
  Mid Layer 2 w5: v1(1070,1518) 1096,1492 1096,341 v1(1159,278)
  Bottom Layer w5: IC1.25@1158.54,219.49 1159,219.94 v1(1159,278)
A3: IC1.26 IC3.19 | length 1361.9
  Top Layer w5: IC3.19@1009.02,1498.9 1062.19,1498.9 1065.09,1496 v1(1068,1496)
  Mid Layer 2 w5: v1(1068,1496) 1085,1479 1085,323 v1(1128,280)
  Bottom Layer w5: IC1.26@1127.05,219.49 1128,220.44 v1(1128,280)
A4: IC1.29 IC3.20 | length 1016.2
  Top Layer w5: IC3.20@1009.02,1479.21 1057.88,1479.21 v1(1067.09,1470)
  Bottom Layer w5: v1(1067.09,1470) 1069.15,1467.94 1069.15,1462.83 1070.28,1461.7 1070.28,629.72 1086,614 1115,614 1127.05,626.05 IC1.29@1127.05,670.51
A5: IC1.30 IC3.21 | length 1055.9
  Top Layer w5: IC3.21@1009.02,1459.53 1045.06,1459.53 1051.94,1452.64 1051.94,1448.06 v1(1054,1446)
  Bottom Layer w5: v1(1054,1446) 1054,617 1076,595 1132,595 1158.54,621.54 IC1.30@1158.54,670.51
A6: IC1.31 IC3.60 | length 374.4
  Top Layer w5: v1(1382,874) IC3.60@1382.05,929.02
  Bottom Layer w5: IC1.31@1190.04,670.51 1190.04,744.04 1292,846 1354,846 v1(1382,874)
A7: IC1.32 IC3.63 | length 377.8
  Top Layer w5: v1(1426.2,863.85) 1426.2,864.2 1441.1,879.1 IC3.63@1441.1,929.02
  Bottom Layer w5: IC1.32@1221.54,670.51 1221.54,707.54 1293,779 1341,779 1425.85,863.85 v1(1426.2,863.85)
A8: IC1.33 IC3.64 | length 363.1
  Top Layer w5: v1(1460,874) 1460.39,874.39 1460.39,928.62 IC3.64@1460.79,929.02
  Bottom Layer w5: IC1.33@1253.03,670.51 1254.85,672.33 1254.85,700.58 1324.27,770 1356,770 v1(1460,874)
A9: IC1.34 IC3.65 | length 366.6
  Top Layer w5: v1(1462,849) 1480.47,867.47 IC3.65@1480.47,929.02
  Bottom Layer w5: IC1.34@1284.53,670.51 1284.53,717.53 1328,761 1374,761 v1(1462,849)
A10: IC1.22 IC3.66 | length 811.9
  Top Layer w5: v1(1499.72,879) 1499.94,879.22 1499.94,928.8 IC3.66@1500.16,929.02
  Mid Layer 2 w5: v1(1254,280) 1499.72,525.72 v1(1499.72,879)
  Bottom Layer w5: IC1.22@1253.03,219.49 1254,220.46 v1(1254,280)
A11: IC1.35 IC3.67 | length 383.9
  Top Layer w5: v1(1316,721) 1316,722 1339.29,745.29 1409.22,745.29 1519.84,855.91 IC3.67@1519.84,929.02
  Bottom Layer w5: IC1.35@1316.02,670.51 v1(1316,721)
A12: IC1.36 IC3.110 | length 1191.9
  Top Layer w5: v1(1855,1419) 1855.58,1419.58 2010.4,1419.58 IC3.110@2010.98,1420.16
  Bottom Layer w5: IC1.36@1347.52,670.51 1347.52,702.52 1516,871 1516,1211 1724,1419 v1(1855,1419)
B0: CN6.21 IC3.3 | length 862.4
  Top Layer w5: v1(604,2160) 950.14,1813.86 IC3.3@1009.02,1813.86
  Bottom Layer w5: CN6.21@290.32,2160.84 290.74,2160.42 603.58,2160.42 v1(604,2160)
B1: CN6.22 IC3.125 | length 1960.8
  Top Layer w5: v1(1807,1846) 1937.57,1715.43 IC3.125@2010.98,1715.43
  Bottom Layer w5: CN6.22@290.32,2180.53 1553.47,2180.53 1807,1927 v1(1807,1846)